# Altium PCB main_backup001.PcbDoc
Units mm, origin at the board's own origin, x right, y up, seen from the top; angles counter-clockwise.
Board outline 199.97 x 144.74 mm, 2 copper layers (Top Layer, Bottom Layer); 194 components, 185 nets, 678 pads, 5 vias.
Unrouted connection lines stored in the file: 392.
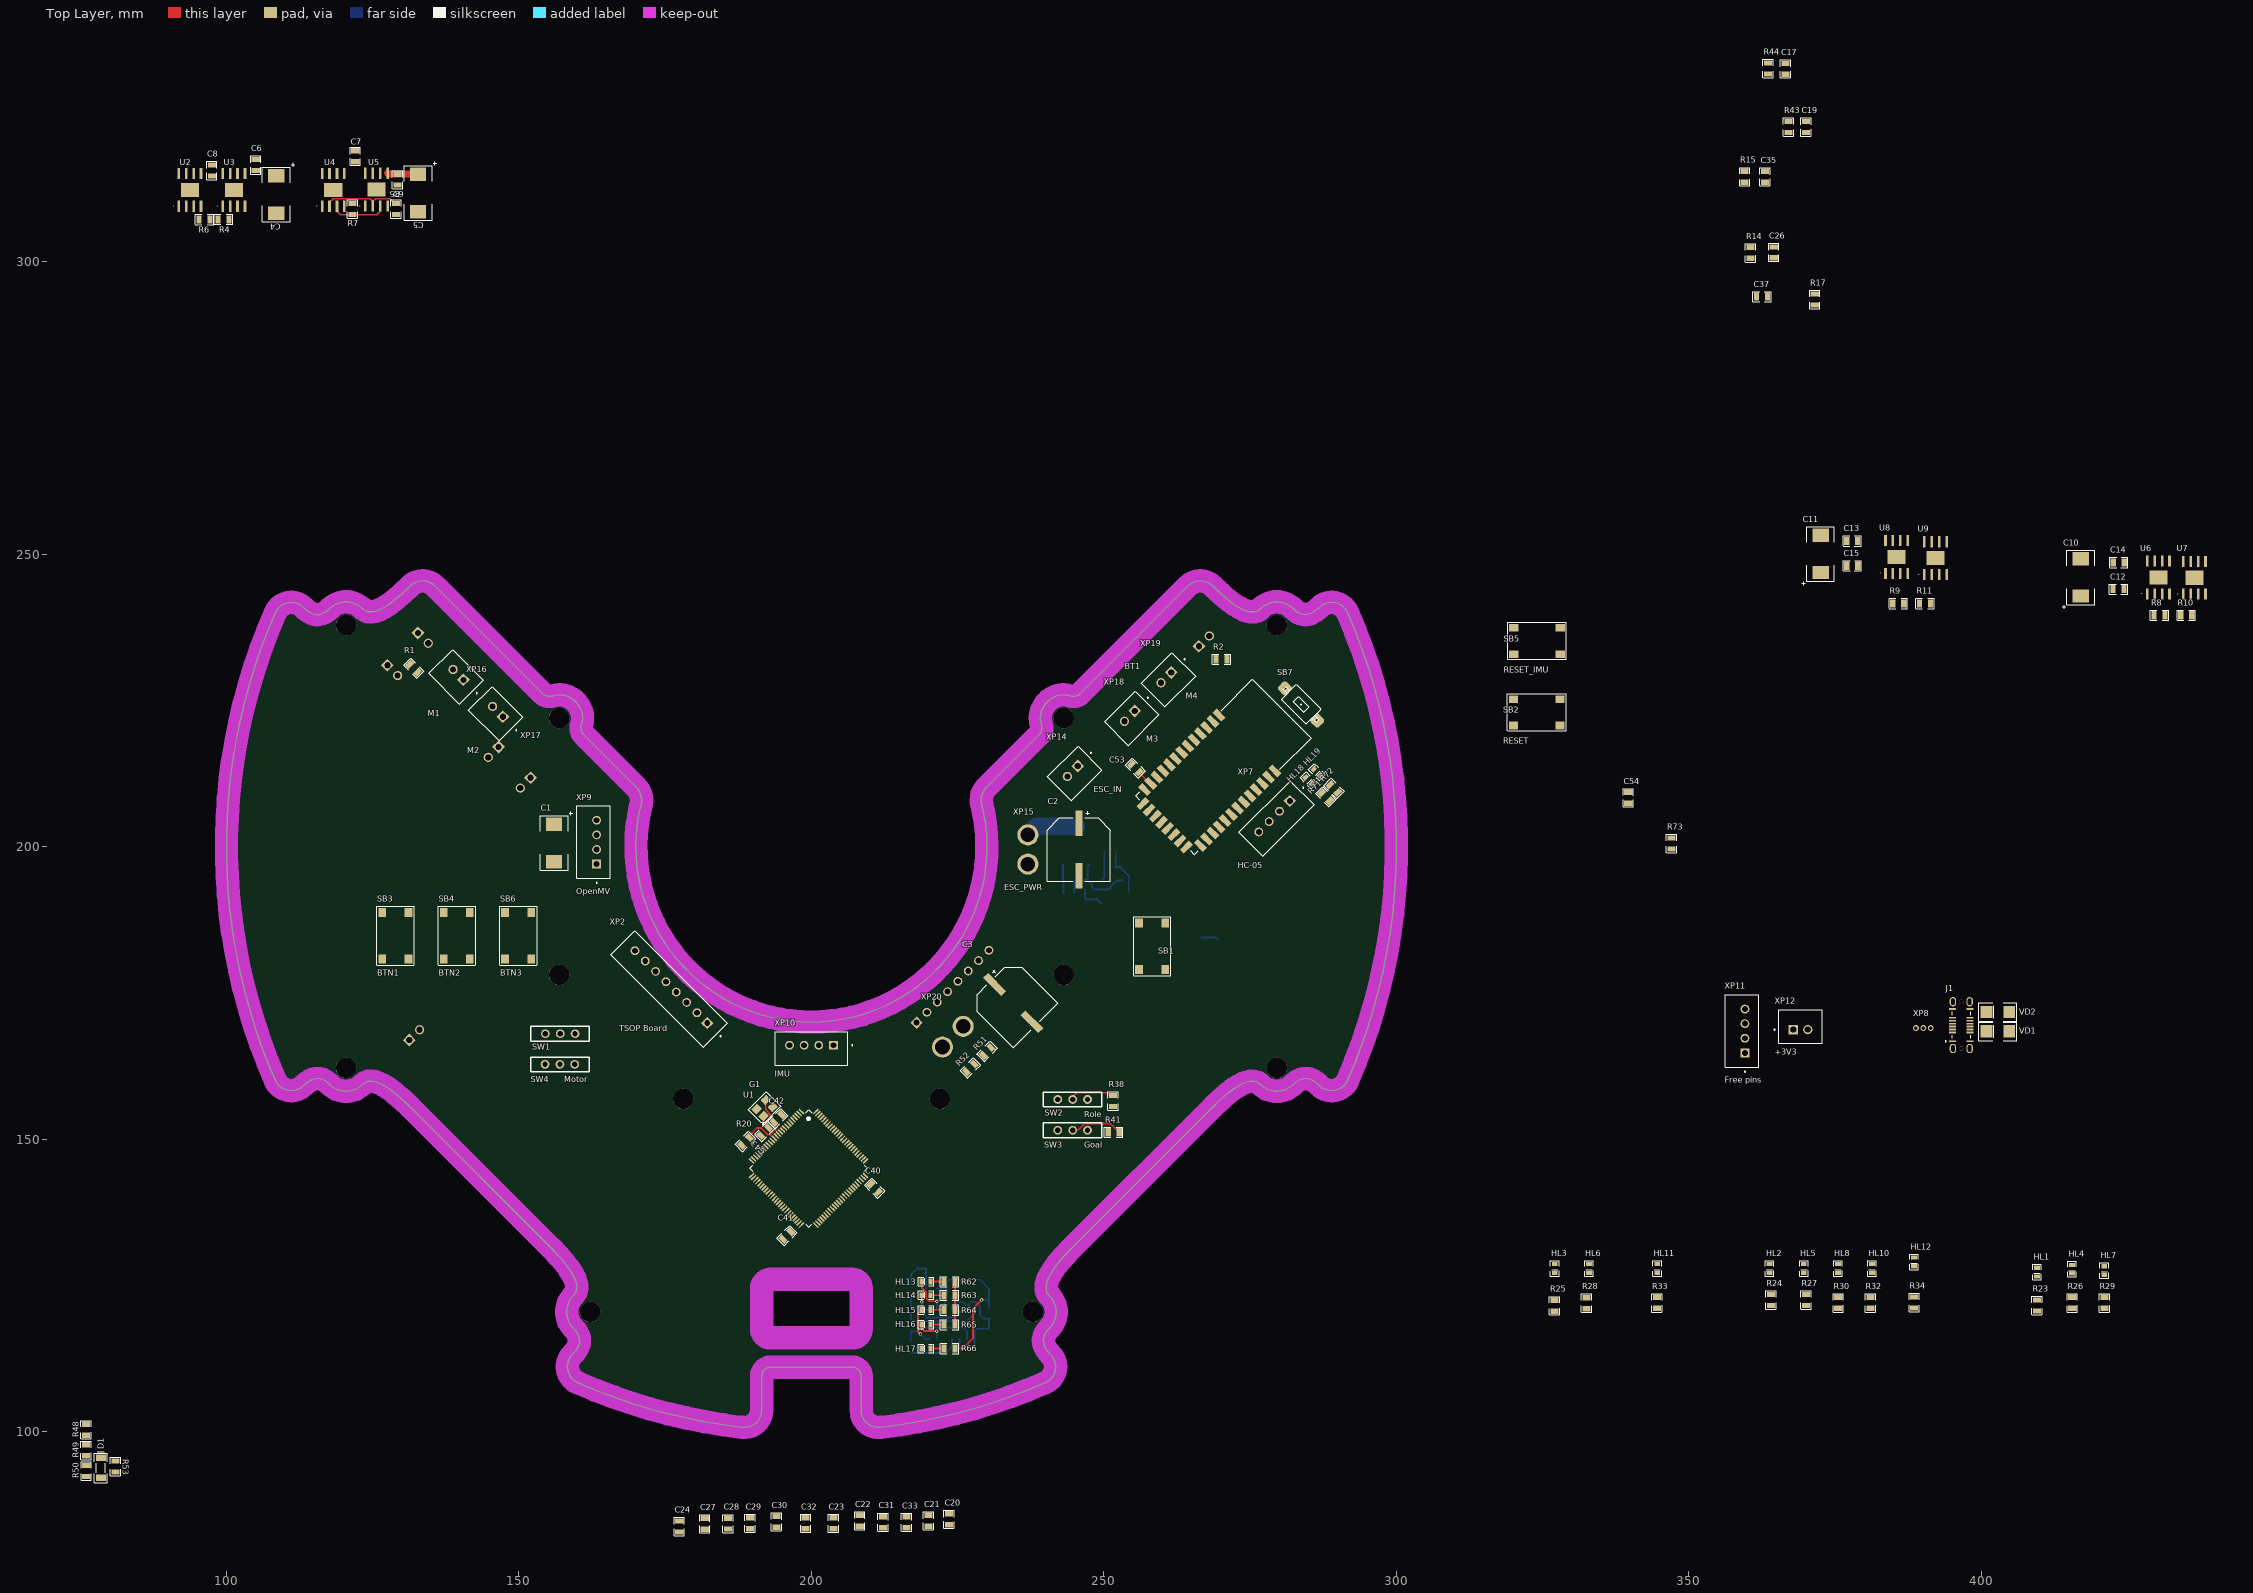
[diagram p0: Top Layer view]
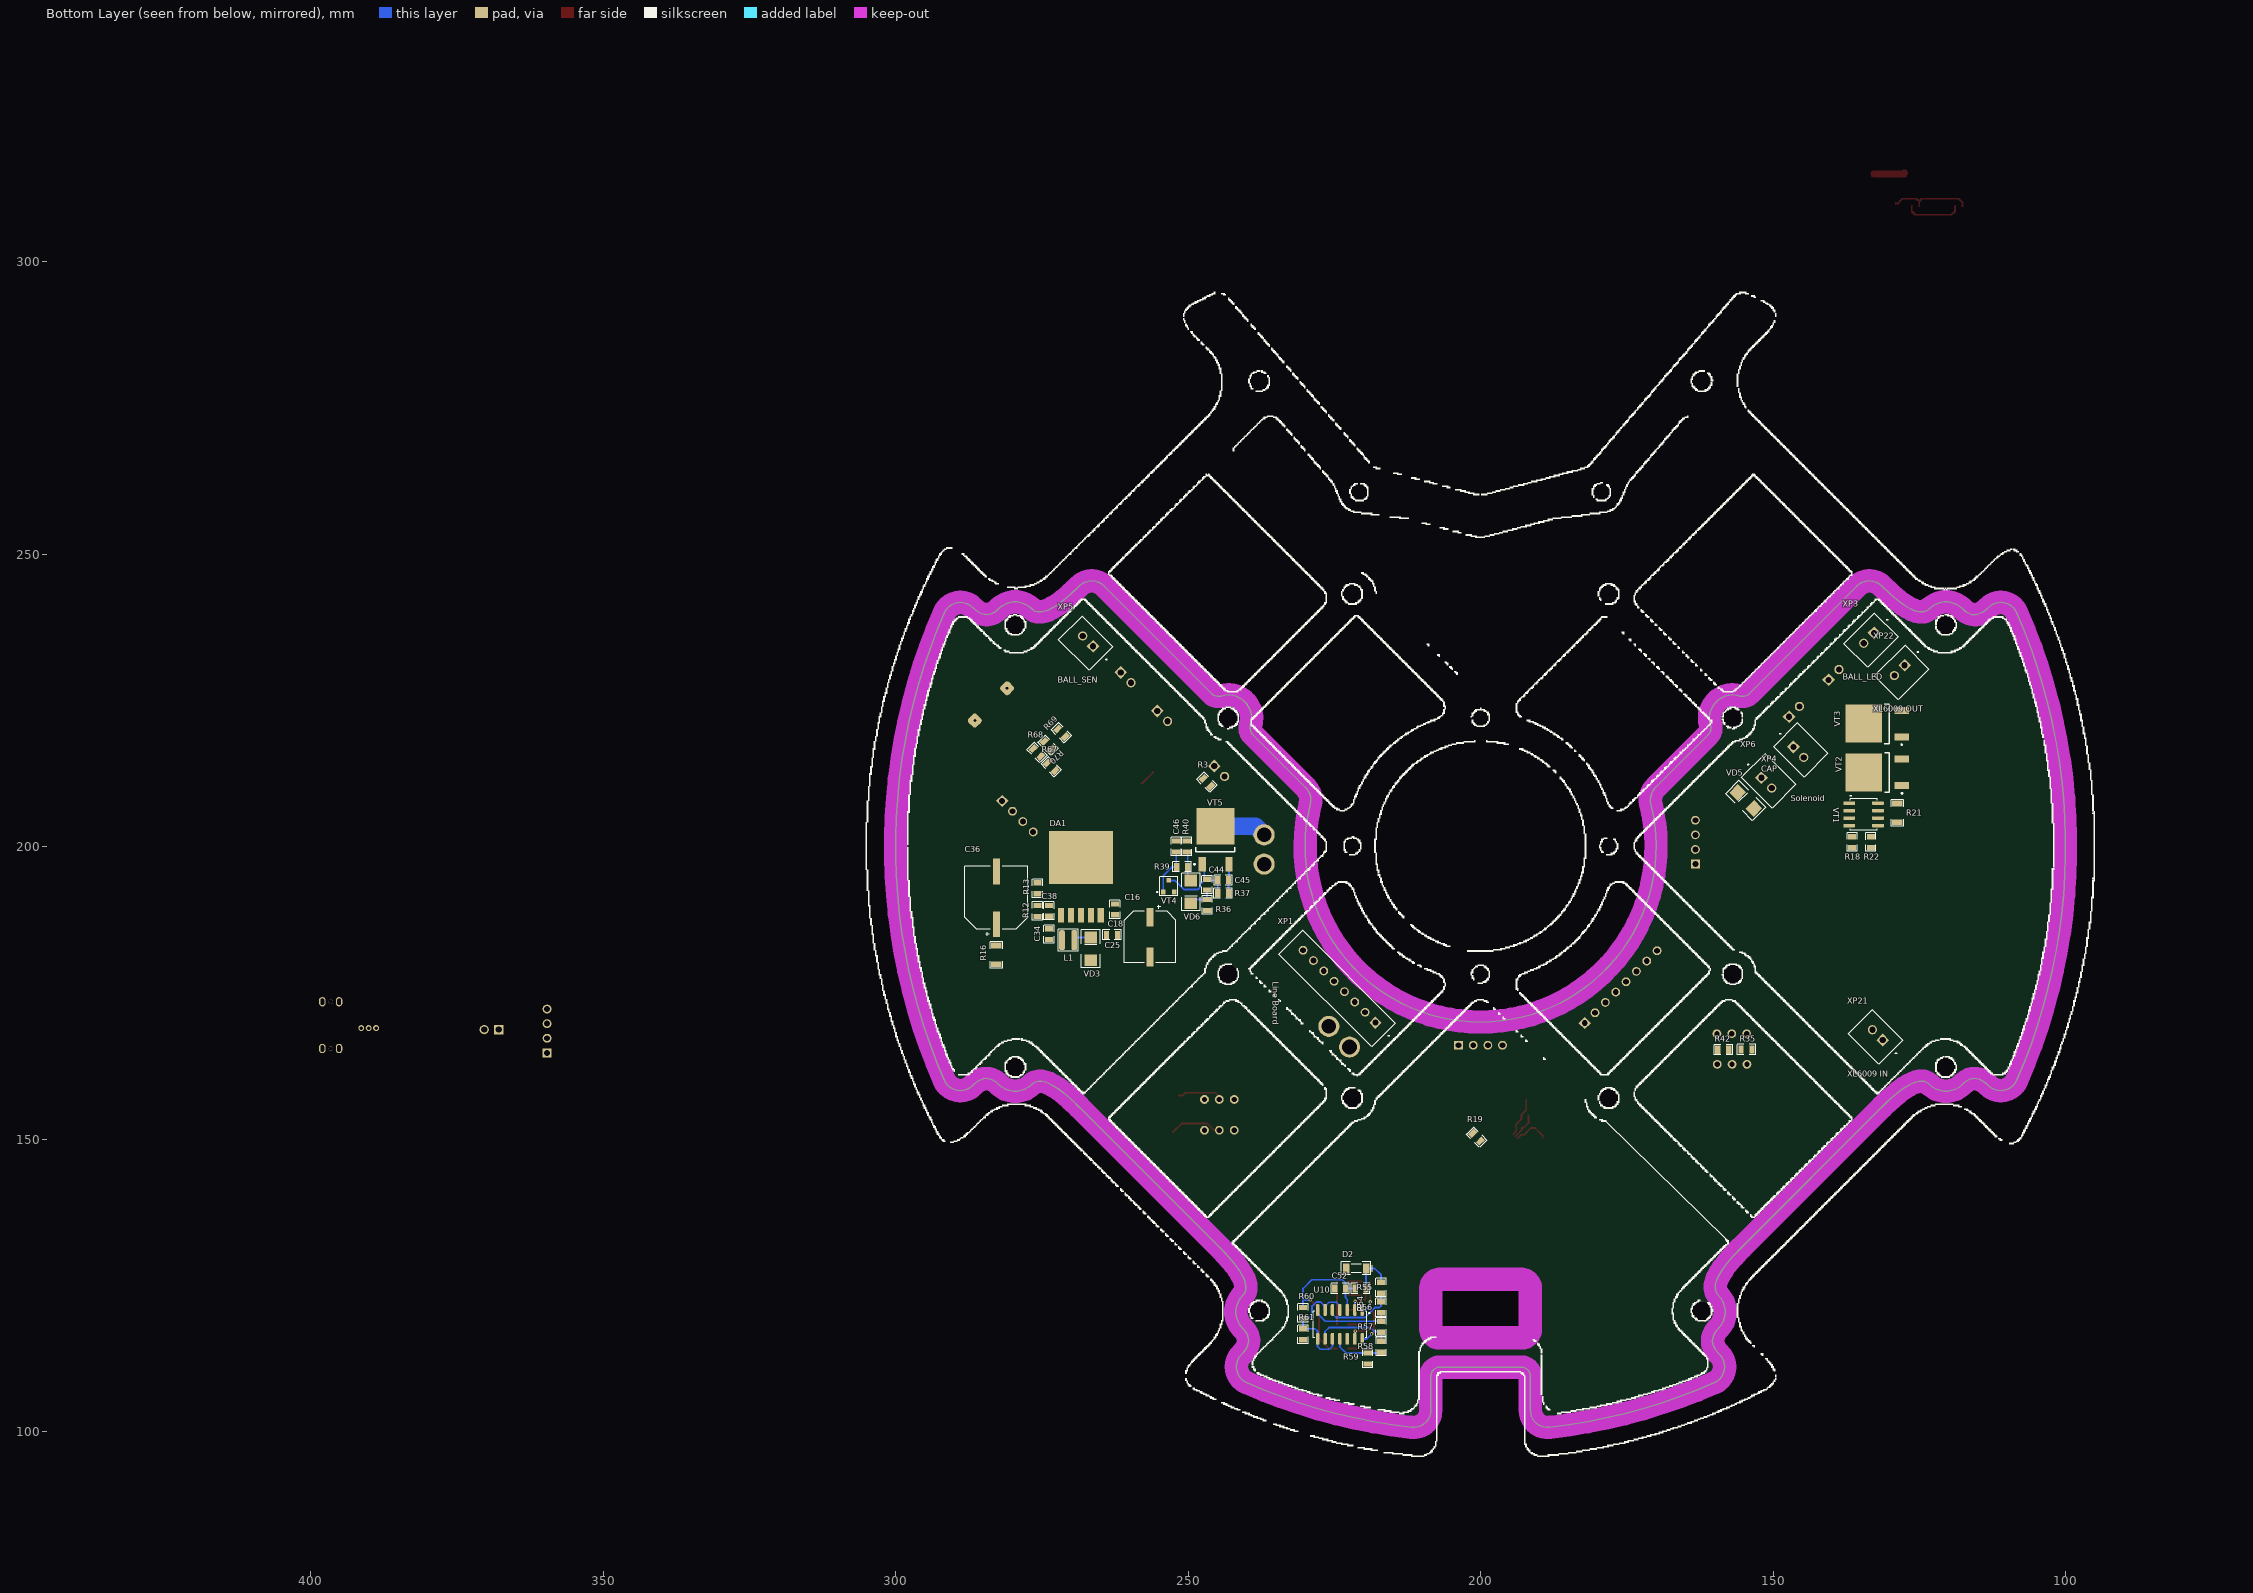
[diagram p1: Bottom Layer view, seen from below]

## Layer stack, top to bottom
Top Solder: solder mask 0.0102, Solder Resist, Dk 3.5
Top Layer: signal copper 0.07
Dielectric 1: dielectric 0.32, FR-4, Dk 4.8
Bottom Layer: signal copper 0.07
Bottom Solder: solder mask 0.0102, Solder Resist, Dk 3.5

## Board outline
502 vertices, not listed, extent 100.013,100.691 299.987,245.426
cut-out: 207,116 193,116 192.666,116.038 192.349,116.149 192.065,116.327 191.827,116.565 191.649,116.849 191.538,117.166 191.5,117.5 191.5,124.5 191.538,124.834 191.649,125.151 191.827,125.435 192.065,125.673 192.349,125.851 192.666,125.962 193,126 207,126 207.334,125.962 207.651,125.851 207.935,125.673 208.173,125.435 208.351,125.151 208.462,124.834 208.5,124.5 208.5,117.5 208.462,117.166 208.351,116.849 208.173,116.565 207.935,116.327 207.651,116.149 207.334,116.038

## Design rules (kind name [scope] priority, off if disabled: settings)
BoardOutlineClearance [All] p1: gap=0.25 ignorepadtopadclearanceinfootprint=FALSE
Clearance Clearance_MultiLayerPad [OnLayer('Multi-Layer') and IsPad] p1: gap=0.25 ignorepadtopadclearanceinfootprint=FALSE except(0: Arc-Hole Track-Hole SMDPad-Hole THPad-Hole Via-Hole Fill-Hole Poly-Hole Region-Hole Text-Hole)
Clearance Clearance_Polygon [InPolygon] p2 off: gap=0.2 ignorepadtopadclearanceinfootprint=FALSE except(0: Arc-Hole Track-Hole SMDPad-Hole THPad-Hole Via-Hole Fill-Hole Poly-Hole Region-Hole Text-Hole)
Clearance [All] p3: gap=0.15 ignorepadtopadclearanceinfootprint=FALSE except(0: Arc-Hole Track-Hole SMDPad-Hole THPad-Hole Via-Hole Fill-Hole Poly-Hole Region-Hole Text-Hole)
ComponentClearance [All] p1 off: gap=0 collisioncheckmode=3 verticalgap=2540 showdistances=TRUE
Height [All] p1 off: minheight=0 maxheight=25.4 prefheight=12.7
HoleSize [All] p1: absolutevalues=TRUE maxlimit=6.3 minlimit=0.2 maxpercent=80.000 minpercent=20.000
HoleToHoleClearance HoleToHoleClearanceVia [IsVia vs IsVia] p1: gap=0.254 allowstackedmicrovias=TRUE
HoleToHoleClearance [All] p2: gap=0.5 allowstackedmicrovias=TRUE
MinimumAnnularRing MinimumAnnularRingVia [IsVia] p1: minimumring=0.15
MinimumAnnularRing [All] p2: minimumring=0.25
MinimumSolderMaskSliver [All] p1: minsoldermaskwidth=0.244
PlaneClearance [All] p1: clearance=0.5
PlaneConnect [All] p1: planeconnectstyle=Relief reliefexpansion=0.5 reliefentries=4 reliefconductorwidth=0.3 reliefairgap=0.2
PolygonConnect PolygonConnect_Power [InPadClass('power')] p1: connectstyle=Relief reliefconductorwidth=0.9 reliefentries=4 polygonreliefangle="90 Angle" airgapwidth=0.2
PolygonConnect [All] p2: thpad.connectstyle=Relief thpad.reliefconductorwidth=0.3 thpad.reliefentries=4 thpad.polygonreliefangle="90 Angle" thpad.airgapwidth=0.2 smdpad.connectstyle=Relief smdpad.reliefconductorwidth=0.3 smdpad.reliefentries=4 smdpad.polygonreliefangle="90 Angle" smdpad.airgapwidth=0.2 via.connectstyle=Direct via.reliefconductorwidth=0.3 via.reliefentries=4 via.polygonreliefangle="90 Angle" via.airgapwidth=0.2
RoutingVias [All] p1: holewidth=0.3 width=0.6 viastyle="Through Hole" minholewidth=0.3 minwidth=0.6 maxholewidth=0.5 maxwidth=1.5
SilkToSilkClearance [All] p1: silktosilkclearance=0.2
SilkToSolderMaskClearance [IsPad] p1: minsilkscreentomaskgap=0.15 clearancetoexposedcopper=TRUE
SolderMaskExpansion [All] p1: expansion=0.05 istentingtop=FALSE
UnRoutedNet [All] p1: checkbadconnections=TRUE
Width [All] p1: maxlimit=10 minlimit=0.15 preferedwidth=0.3
20 further rules are at their usual default settings.

## Classes and differential pairs
component class U_switches: C17 C19 C26 C35 C37 C44 C45 C46 R14 R15 R17 R35 R36 R37 R38 R39 R40 R41 R42 R43 R44 SB1 SB2 SB3 SB4 SB5 SB6 SW1 SW2 SW3 SW4 VD6 VT4 VT5
component class U_stabs: C16 C18 C25 C34 C36 C38 DA1 L1 R12 R13 R16 VD3
component class U_indicator: C52 D1 D2 HL13 HL14 HL15 HL16 HL17 R48 R49 R50 R51 R52 R53 R54 R55 R56 R57 R58 R59 R60 R61 R62 R63 R64 R65 R66 U10
component class U_drv: C4 C5 C6 C7 C8 C9 C10 C11 C12 C13 C14 C15 R4 R5 R6 R7 R8 R9 R10 R11 U2 U3 U4 U5 U6 U7 U8 U9
component class U_connectors: C1 C2 C3 J1 R1 R2 R3 VD1 VD2 XP1 XP2 XP3 XP4 XP5 XP6 XP7 XP8 XP9 XP10 XP11 XP12 XP14 XP15 XP16 XP17 XP18 XP19 XP20 XP21 XP22
component class U_bluetooth: BT1 C53 C54 HL18 HL19 R67 R68 R69 R70 R71 R72 R73 SB7
component class main: C20 C21 C22 C23 C24 C27 C28 C29 C30 C31 C32 C33 C40 C41 C42 C43 G1 HL1 HL2 HL3 HL4 HL5 HL6 HL7 HL8 HL10 HL11 HL12 R18 R19 R20 R21 R22 R23 R24 R25 R26 R27 R28 R29 R30 R32 R33 R34 U1 VD5 VT1 VT2 VT3

## Components (designator, comment, footprint, x,y, rotation, side; value= is the part's Value field where it differs from the comment)
BT1 "HC-05" HC-05 269.737,212.799 r315 top
C1 "47uF" CAP_TANT_D 156.006,200.623 r270 top
C2 "470uF" D10C4.4H10 245.7,199.5 r270 top
C3 "25v 470uF" D10C4.4H10 234.5,173.231 r315 top
C4 "25v 47uF" CAP_TANT_D 108.5,311.5 r270 top
C5 "25v 47uF" CAP_TANT_D 132.75,311.75 r270 top
C6 "0.1uF" CAP0805 105,316.5 r270 top
C7 "0.1uF" CAP0805 122,318 r270 top
C8 "0.1uF" CAP0805 97.506,315.569 r90 top
C9 "0.1uF" CAP0805 129.25,314 r90 top
C10 "25v 47uF" CAP_TANT_D 417,246 r90 top
C11 "25v 47uF" CAP_TANT_D 372.5,250.018 r90 top
C12 "0.1uF" CAP0805 423.429,243.994 r0 top
C13 "0.1uF" CAP0805 377.897,252.25 r0 top
C14 "0.1uF" CAP0805 423.486,248.568 r0 top
C15 "0.1uF" CAP0805 377.929,247.994 r0 top
C16 "220uF" D8C3.2H12 256.5,184.5 r270 bottom
C17 "1uF" CAP0805 366.494,332.931 r270 top
C18 "1uF" CAP0805 262.5,189.25 r270 bottom
C19 "1uF" CAP0805 370,323 r90 top
C20 "1uF" CAP0805 223.5,85 r270 top
C21 "0.1uF" CAP0805 220,84.75 r270 top
C22 "1uF" CAP0805 208.25,84.75 r90 top
C23 "0.1uF" CAP0805 203.756,84.319 r90 top
C24 "0.1uF" CAP0805 177.406,83.769 r90 top
C25 "1uF" CAP0805 263,184.9 r180 bottom
C26 "1uF" CAP0805 364.506,301.569 r90 top
C27 "0.1uF" CAP0805 181.754,84.229 r90 top
C28 "0.1uF" CAP0805 185.75,84.25 r90 top
C29 "0.1uF" CAP0805 189.506,84.319 r90 top
C30 "0.1uF" CAP0805 194.006,84.569 r90 top
C31 "0.1uF" CAP0805 212.25,84.5 r90 top
C32 "0.1uF" CAP0805 199.006,84.319 r90 top
C33 "1uF" CAP0805 216.25,84.5 r90 top
C34 "1uF" CAP0805 273.762,185.029 r90 bottom
C35 "1uF" CAP0805 363,314.5 r90 top
C36 "330uF" D10C4.4H10 282.786,191.229 r90 bottom
C37 "1uF" CAP0805 362.5,294 r0 top
C38 "33nF" CAP0805 273.768,189 r270 bottom
C40 "2.2uF" CAP0805 210.8,141.6 r135 top
C41 "2.2uF" CAP0805 195.8,133.5 r45 top
C42 "20pF" CAP0805 194.25,153.5 r45 top
C43 "20pF" CAP0805 191.997,151.263 r225 top
C44 "1uF" CAP0805 246.75,193.5 r270 bottom
C45 "0.1uF" CAP0805 244,194.25 r180 bottom
C46 "10uF" CAP0805 252,200 r90 bottom
C52 "0.1uF" CAP0805 224,124.431 r180 bottom
C53 "0.1uF" CAP0805 255.358,213.392 r315 top
C54 "0.1uF" CAP0805 339.627,208.338 r90 top
D1 "3.3V" SOD-80 78.5,93.75 r270 top
D2 "8.2V" SOD-80 221.3,127.9 r0 bottom
DA1 "XL4015" TO263-5L 268.518,194.5 r180 bottom
G1 "8 MHz" TSX-3225 192,155.3 r45 top
HL1 "LED1" LED0603_WHITE 409.5,127.25 r90 top
HL2 "BG" LED0603_WHITE 363.797,127.856 r90 top
HL3 "48V" LED0603_GREEN 327.063,127.856 r90 top
HL4 "LED2" LED0603_WHITE 415.5,127.75 r90 top
HL5 "YG" LED0603_WHITE 369.639,127.856 r90 top
HL6 "12V" LED0603_GREEN 332.905,127.856 r90 top
HL7 "LED3" LED0603_WHITE 421,127.5 r90 top
HL8 "ST" LED0603_WHITE 375.481,127.856 r90 top
HL10 "GK" LED0603_WHITE 381.323,127.856 r90 top
HL11 "3V3" LED0603_GREEN 344.589,127.856 r90 top
HL12 "M_ON" LED0603_RED 388.5,129 r90 top
HL13 "White" LED0603_GREEN 219.6,125.634 r0 top
HL14 "White" LED0603_GREEN 219.6,123.3 r0 top
HL15 "White" LED0603_GREEN 219.6,120.8 r0 top
HL16 "White" LED0603_GREEN 219.6,118.3 r0 top
HL17 "Red" LED0603_RED 219.6,114.18 r0 top
HL18 "White" LED0603_WHITE 285,211.3 r135 top
HL19 "White" LED0603_WHITE 286.4,212.7 r135 top
J1 "USB" USB-C 396.535,169.495 r90 top
L1 "47uH" VLS3012HBX 270.5,184 r0 bottom
R1 "70R" RES0805 132.02,230.5 r315 top
R2 "10K" RES0805 270.1,232 r180 top
R3 "10K" RES0805 246.75,211 r225 bottom
R4 "10K" RES0805 99.5,307.193 r180 top
R5 "10K" RES0805 129,309 r270 top
R6 "10K" RES0805 96.25,307.214 r0 top
R7 "10K" RES0805 121.5,309 r90 top
R8 "10K" RES0805 430.438,239.568 r0 top
R9 "10K" RES0805 385.789,241.568 r0 top
R10 "10K" RES0805 435.01,239.568 r0 top
R11 "10K" RES0805 390.361,241.568 r0 top
R12 "22K" RES0805 275.718,189 r270 bottom
R13 "13K" RES0805 275.699,192.851 r270 bottom
R14 "10K" RES0805 360.5,301.5 r90 top
R15 "10K" RES0805 359.5,314.5 r90 top
R16 "0R" RES1206 282.768,181.479 r270 bottom
R17 "10K" RES0805 371.5,293.5 r90 top
R18 "10K" RES0805 136.5,200.75 r90 bottom
R19 "10K" RES0805 200.7,150.3 r45 bottom
R20 "10K" RES0805 188.7,149.6 r45 top
R21 "15R" RES1206 128.75,205.75 r90 bottom
R22 "10K" RES0805 133.25,200.75 r270 bottom
R23 "1K" RES0805 409.48,121.558 r90 top
R24 "1K" RES0805 364,122.5 r90 top
R25 "22K" RES0805 327,121.5 r90 top
R26 "1K" RES0805 415.5,122 r90 top
R27 "1K" RES0805 370,122.5 r90 top
R28 "4.7K" RES0805 332.48,121.938 r90 top
R29 "1K" RES0805 421,122 r90 top
R30 "1K" RES0805 375.5,122 r90 top
R32 "1K" RES0805 381,122 r90 top
R33 "1K" RES0805 344.5,122 r90 top
R34 "1K" RES0805 388.48,122.058 r90 top
R35 "10K" RES0805 154.516,165.274 r0 bottom
R36 "10K" RES0805 246.75,190 r90 bottom
R37 "100K" RES0805 244,192 r0 bottom
R38 "10K" RES0805 251.538,156.5 r90 top
R39 "300K" RES0805 251,196.5 r0 bottom
R40 "100K" RES0805 250.25,200 r90 bottom
R41 "10K" RES0805 251.656,151.19 r0 top
R42 "10K" RES0805 158.5,165.274 r180 bottom
R43 "10K" RES0805 367,323 r90 top
R44 "10K" RES0805 363.5,333 r90 top
R48 "1K" RES0805 75.98,100.308 r90 top
R49 "13K" RES0805 75.97,96.787 r90 top
R50 "1K" RES0805 76,93.25 r90 top
R51 "39K" RES0805 230,165 r45 top
R52 "11K" RES0805 227.149,162.177 r45 top
R53 "1K" RES0805 81,94 r90 top
R54 "10K" RES0805 220.5,124.437 r0 bottom
R55 "27K" RES0805 217.025,124.586 r90 bottom
R56 "1K" RES0805 217.025,121.222 r90 bottom
R57 "1K" RES0805 217.025,117.899 r90 bottom
R58 "1K" RES0805 217.005,114.5 r90 bottom
R59 "24K" RES0805 219.3,112.5 r90 bottom
R60 "10K" RES0805 230.366,120.28 r90 bottom
R61 "5.1K" RES0805 230.366,116.622 r90 bottom
R62 "1K" RES0805 223.6,125.634 r0 top
R63 "1K" RES0805 223.6,123.3 r0 top
R64 "1K" RES0805 223.6,120.8 r0 top
R65 "1K" RES0805 223.6,118.3 r0 top
R66 "4.7K" RES0805 223.6,114.2 r0 top
R67 "10K" RES0805 273.414,213.6 r45 bottom
R68 "10K" RES0805 275.8,216.1 r225 bottom
R69 "0R" RES0805 271.625,219.45 r225 bottom
R70 "0R" RES0805 273.953,217.293 r45 bottom
R71 "1K" RES0805 287.9,208.5 r135 top
R72 "1K" RES0805 289.3,209.9 r135 top
R73 "10K" RES0805 347,200.5 r90 top
SB1 "POWER" DTSM-61N-V-T/R 260.5,179 r90 top
SB2 "RESET" DTSM-61N-V-T/R 320,220.7 r0 top
SB3 "BTN1" DTSM-61N-V-T/R 131.119,180.793 r90 top
SB4 "BTN2" DTSM-61N-V-T/R 141.619,180.793 r90 top
SB5 "RESET_IMU" DTSM-61N-V-T/R 320.05,232.9 r0 top
SB6 "BTN3" DTSM-61N-V-T/R 152.119,180.793 r90 top
SB7 "#NAME?" "PTS636 SP43 LFS" 283.7,224.3 r135 top
SW1 "ESP1010" ESP1010 157,168 r180 top
SW2 "Role" ESP1010 244.598,156.75 r180 top
SW3 "Goal" ESP1010 244.598,151.5 r180 top
SW4 "Motor" ESP1010 156.944,162.75 r180 top
U1 "STM32F407VGT6" LQFP100 199.5,145 r315 top
U2 "DRV8870" HSOP-8 93.742,312.2 r0 top
U3 "DRV8870" HSOP-8 101.25,312.214 r0 top
U4 "DRV8870" HSOP-8 118.242,312.2 r0 top
U5 "DRV8870" HSOP-8 125.647,312.25 r0 top
U6 "DRV8870" HSOP-8 430.242,245.95 r0 top
U7 "DRV8870" HSOP-8 436.397,245.9 r0 top
U8 "DRV8870" HSOP-8 385.492,249.45 r0 top
U9 "DRV8870" HSOP-8 392.147,249.25 r0 top
U10 "SOIC-14" SOIC-14 224.035,118.335 r270 bottom
VD1 "Diode TVS" "DO-214AC (SMA)" 402.825,168.4 r0 top
VD2 "Diode TVS" "DO-214AC (SMA)" 402.825,171.7 r0 top
VD3 "Diode Schottky" "DO-214AC (SMA)" 266.617,182.5 r270 bottom
VD5 "Diode Schottky" "DO-214AC (SMA)" 154.662,207.864 r225 bottom
VD6 "Diode Schottky" "DO-214AC (SMA)" 249.518,192.25 r90 bottom
VT1 "IRS4427" SOIC-8 134.5,205.5 r180 bottom
VT2 "STD30NF06L" DPAK 131.25,212.73 r0 bottom
VT3 "TPSTD10P6F6" DPAK 131.281,221.034 r0 bottom
VT4 "IRLML2502" SOT-23-3 253.25,193.25 r90 bottom
VT5 "FDD6637" DPAK 245.25,200.25 r90 bottom
XP1 "Line Board" JST_XH-8 224.164,176.069 r45 bottom
XP2 "TSOP Board" JST_XH-8 176,176 r135 top
XP3 "BALL_LED" JST_XH-2 133.245,235.263 r315 bottom
XP4 "CAP" JST_XH-2 145.263,216.505 r225 bottom
XP5 "BALL_SEN" JST_XH-2 267.5,234.75 r45 bottom
XP6 "Solenoid" JST_XH-2 150.745,211.237 r225 bottom
XP7 "HC-05" JST_XH-4 279.5,204.78 r225 top
XP8 "ST-Lnk" 3x1.27 390.075,168.975 r0 top
XP9 "OpenMV" JST_XH-4 162.75,200.75 r90 top
XP10 "IMU" JST_XH-4 200,165.5 r180 top
XP11 "Free pins" JST_XH-4 359.05,168.475 r90 top
XP12 "+3V3" JST_XH-2 369.075,169.225 r0 top
XP14 "ESC_IN" JST_XH-2 245,212.5 r225 top
XP15 "ESC_PWR" XT30_3D 237,199.5 r90 top
XP16 "M1" JST_XH-2 139.245,229.013 r135 top
XP17 "M2" JST_XH-2 146.013,222.694 r135 top
XP18 "M3" JST_XH-2 254.75,221.92 r225 top
XP19 "M4" JST_XH-2 261.005,228.513 r225 top
XP20 "BAT" XT30_3D 224.17,167.5 r45 top
XP21 "XL6009 IN" JST_XH-2 132.5,167.429 r45 bottom
XP22 "XL6009 OUT" JST_XH-2 128.013,229.745 r315 bottom

## Footprints (in the part's own frame and the unit in brackets; to place one, negate y for a bottom-side part, rotate by r counter-clockwise, add the part's x,y. Pads: shape width x height; smd on the part's side, far side on the other; paste and mask are expansions set on the pad)
3x1.27 [mm]
  round 1 hole 0.6: 1(-1.27,0) 2(0,0) 3(1.27,0)
  body extent -1.9,-1.23 1.9,1.27, height 4.1
CAP0805 [mm] "SMD ceramic capacitor 0805"
  rect 0.9x1.397 smd: 1(-0.929,0.006) 2(0.931,0.006)
  silkscreen extent -1.55,-0.88 1.55,0.88, body extent -1,-0.63 1,0.62, height 1.24